# Altium PCB IMX6 DEV BOARD.PcbDoc (part 6 of 12) (continued)
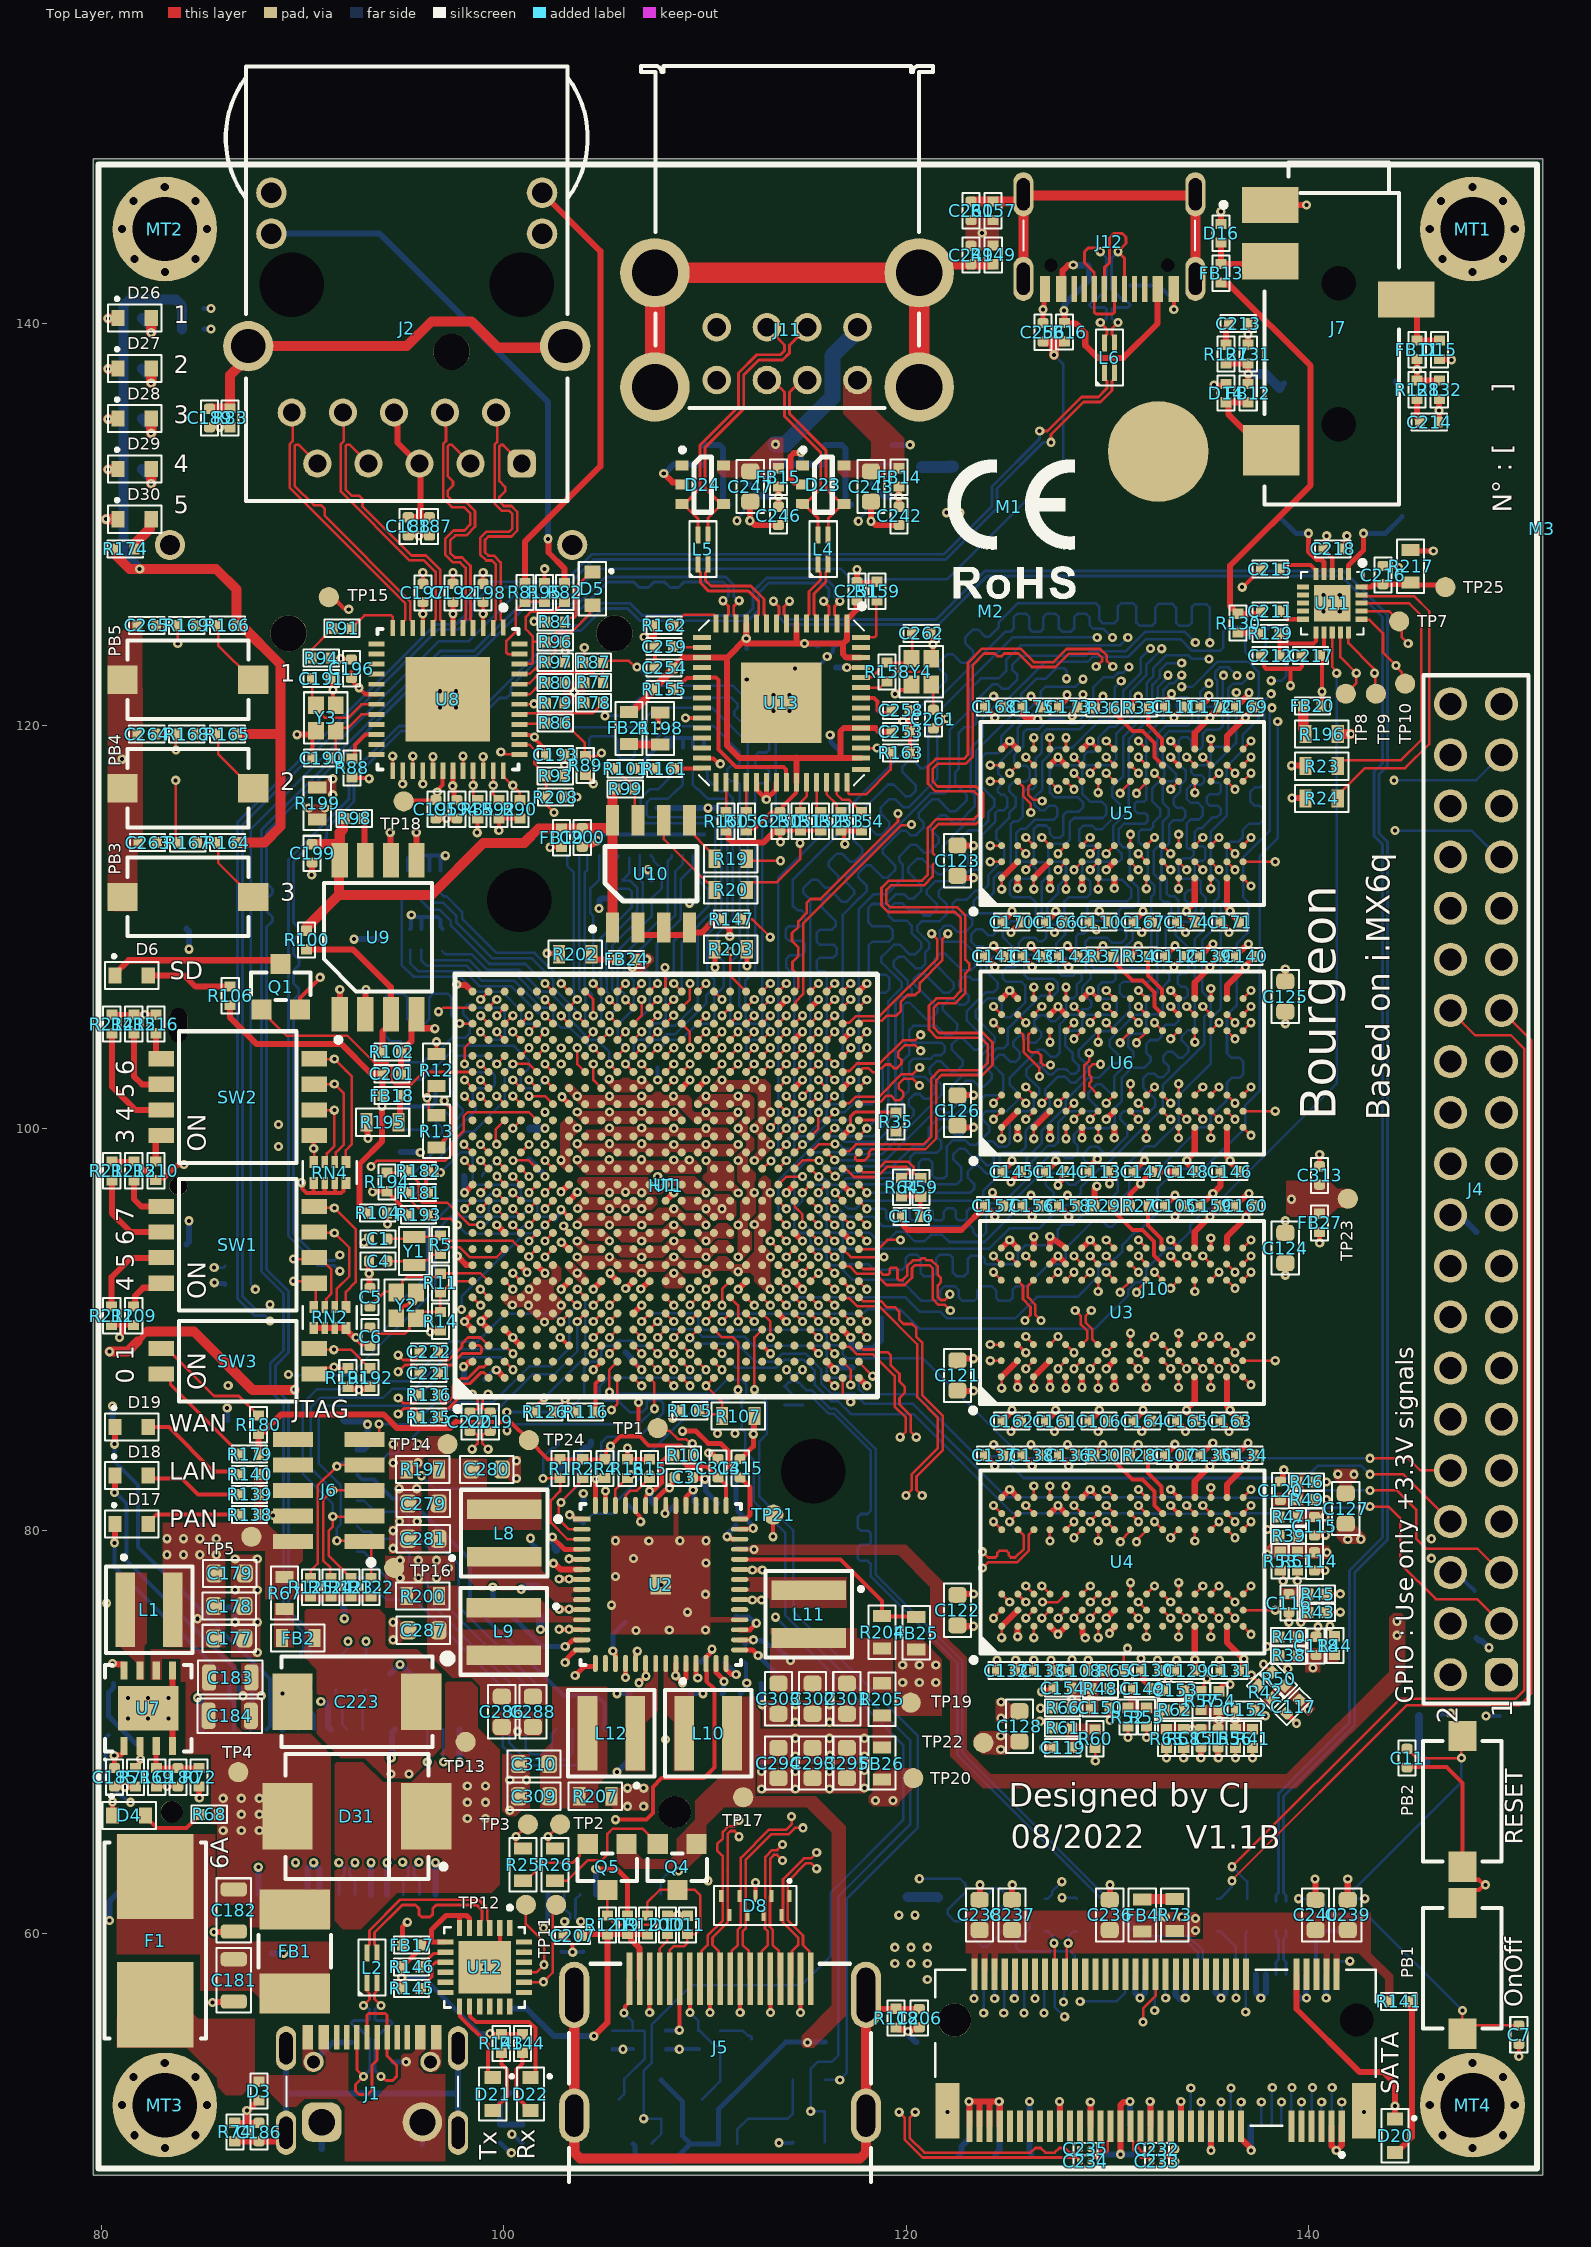
[diagram p0: Top Layer view]
## Nets (pads, with @x,y where several pads share a name; then routed paths per layer and width w, separated by ;. In a path a pad name is that pad's centre, name@x,y a point inside that pad or via, vN(x,y) a via of type N, cw(c..) or ccw(c..) an arc to the next point about the centre after c; other vN are vias at no path point) (continued)
  Inner 2 w0.11: v1(114.044,94.4) 113.644,94 113.644,92.638 113.884,92.398 114.209,92.398 114.441,92.165 114.441,91.84 114.684,91.598 115.009,91.598 115.241,91.365 115.241,91.04 115.484,90.798 115.809,90.798 116.041,90.565 116.041,90.24 116.232,90.05 116.279,90.003 118.209,90.003 118.477,90.271 119.257,90.271 119.589,89.939 120.955,89.939 121.644,89.25 122.599,89.25 122.946,88.903 122.946,88.107 123.179,87.875 124.005,87.875 124.178,88.049 v1(124.178,88.45)
DRAM_D26: U1.AE11 U3.B8 | length 17.3
  Top Layer w0.125: U1.AE11@117.644,95.6 v1(118.044,95.2) ; v1(125.144,93.65) U3.B8@125.544,93.25
  Inner 2 w0.11: v1(118.044,95.2) 117.646,95.598 117.646,96.167 117.879,96.4 118.594,96.4 118.719,96.525 118.719,96.95 118.869,97.1 119.494,97.1 119.644,96.95 119.644,96.625 119.794,96.475 120.394,96.475 120.544,96.625 120.544,96.95 120.694,97.1 121.394,97.1 121.519,96.975 121.519,96.6 121.669,96.45 122.169,96.45 122.344,96.625 122.344,96.9 122.519,97.075 123.144,97.075 123.369,96.85 123.369,96.55 122.869,96.05 122.869,95.875 123.294,95.45 123.519,95.45 123.794,95.725 124.144,96.075 124.894,96.075 125.056,95.912 125.056,95.413 124.894,95.25 124.65,95.25 124.494,95.095 124.494,94.55 124.746,94.298 124.746,94.285 125.082,93.95 125.082,93.712 v1(125.144,93.65)
DRAM_D27: U1.AB11 U3.C2 | length 17.3
  Top Layer w0.125: U1.AB11@115.244,95.6 v1(115.644,95.2) ; v1(125.944,88.05) U3.C2@126.344,88.45
  Inner 2 w0.11: v1(115.644,95.2) 115.596,95.152 115.596,94.914 115.246,94.565 115.246,94.503 115.244,94.5 115.244,92.6 116.246,91.598 116.609,91.598 117.081,91.125 120.819,91.125 121.894,90.05 124.145,90.05 124.873,89.322 124.873,88.241 125.288,87.826 125.708,87.826 125.932,88.05 v1(125.944,88.05)
DRAM_D28: U1.AC9 U3.C3 | length 17.3
  Top Layer w0.125: U1.AC9@116.044,94 v1(116.444,93.6) ; v1(125.944,89.65) U3.C3@126.344,89.25
  Inner 2 w0.11: v1(116.444,93.6) 116.046,93.203 116.046,92.635 116.279,92.403 116.666,92.403 116.841,92.228 116.841,91.84 117.257,91.425 120.92,91.425 121.33,91.015 121.653,91.015 121.986,91.348 122.359,91.348 122.603,91.103 122.603,90.516 122.794,90.325 124.834,90.325 125.294,89.865 125.294,88.7 125.541,88.453 126.293,88.453 126.517,88.677 126.517,89.076 v1(125.944,89.65)
DRAM_D29: U1.AD9 U3.A7 | length 17.3
  Top Layer w0.125: U1.AD9@116.844,94 117.246,93.598 118.889,93.598 v1(118.894,93.603) ; v1(124.344,92.85) U3.A7@124.744,92.45
  Inner 2 w0.11: v1(118.894,93.603) 118.02,93.603 117.644,93.978 117.644,94.575 117.866,94.798 118.771,94.798 119.514,94.055 119.999,94.055 120.194,94.25 120.194,95.075 120.344,95.225 120.669,95.225 120.819,95.075 120.819,94.2 120.964,94.055 121.324,94.055 121.494,94.225 121.494,94.975 121.647,95.128 122.041,95.128 122.194,94.975 122.194,94.225 122.364,94.055 122.699,94.055 122.844,94.2 122.844,94.5 122.988,94.644 123.425,94.644 123.575,94.494 123.575,93.619 v1(124.344,92.85)
DRAM_D30: U1.AD11 U3.C8 | length 17.3
  Top Layer w0.125: U1.AD11@116.844,95.6 v1(117.244,95.2) ; v1(125.944,93.65) U3.C8@126.344,93.25
  Inner 2 w0.11: v1(117.244,95.2) 117.244,96.2 117.646,96.602 117.646,96.978 118.044,97.375 118.494,97.375 118.669,97.55 118.669,98.05 118.819,98.2 119.444,98.2 119.619,98.025 119.619,97.575 119.794,97.4 120.394,97.4 120.544,97.55 120.544,98.05 120.694,98.2 121.344,98.2 121.519,98.025 121.519,97.55 121.669,97.4 122.169,97.4 122.572,97.803 123.291,97.803 123.844,97.25 123.844,96.688 124.157,96.375 125.069,96.375 125.544,95.9 125.544,94.05 v1(125.944,93.65)
DRAM_D31: U1.AC11 U3.A3 | length 17.3
  Top Layer w0.125: U1.AC11@116.044,95.6 v1(116.444,95.2) ; v1(124.178,89.25) U3.A3@124.744,89.25
  Inner 2 w0.11: v1(116.444,95.2) 116.046,95.598 115.479,95.598 115.241,95.36 115.241,95.186 115.241,95.035 115.006,94.8 114.678,94.8 114.446,94.569 114.446,92.635 114.682,92.4 115.006,92.4 115.241,92.165 115.241,91.946 115.59,91.598 115.809,91.598 116.044,91.362 116.044,91.038 116.279,90.803 120.604,90.803 121.757,89.65 123.778,89.65 v1(124.178,89.25)
DRAM_D32: U1.AA17 U6.E3 | length 19.1
  Top Layer w0.125: U1.AA17@114.444,100.4 v1(114.844,100.8) ; v1(127.544,101.25) U6.E3@127.944,101.65
  Inner 5 w0.11: v1(114.844,100.8) 114.906,100.738 115.138,100.738 115.726,100.15 116.025,100.15 116.284,100.409 116.613,100.409 116.846,100.176 116.846,99.779 117.023,99.603 117.473,99.603 117.644,99.773 117.644,100.209 117.832,100.398 118.302,100.398 118.494,100.205 118.494,99.68 118.674,99.5 119.17,99.5 119.345,99.675 119.345,100.196 119.549,100.4 120.049,100.4 120.222,100.228 120.222,99.656 120.378,99.5 123.365,99.5 123.946,100.082 123.946,100.615 124.179,100.847 126.121,100.847 126.588,100.381 127.155,100.381 127.544,100.769 v1(127.544,101.25)
DRAM_D33: U1.AA18 U6.H3 | length 19.1
  Top Layer w0.125: v1(114.044,101.6) U1.AA18@114.444,101.2 ; v1(129.944,101.25) U6.H3@130.344,101.65
  Inner 5 w0.11: v1@113.92,101.724 114.44,101.204 114.678,101.204 114.679,101.203 115.809,101.203 115.81,101.204 116.618,101.204 116.963,100.859 117.541,100.859 117.932,101.25 118.305,101.25 118.855,100.7 120,100.7 120.4,101.1 120.825,101.1 121.225,100.7 121.725,100.7 122.1,101.075 122.5,101.075 122.875,100.7 123.232,100.7 124.182,101.65 129.544,101.65 v1(129.944,101.25)
DRAM_D34: U1.AC18 U6.F7 | length 19.1
  Top Layer w0.125: U1.AC18@116.044,101.2 116.044,101.203 116.439,101.598 v1(116.439,101.601) ; v1(128.344,104.45) U6.F7@128.744,104.85
  Inner 5 w0.11: v1(116.439,101.601) 117.844,101.601 118.218,101.975 118.615,101.975 118.797,101.794 118.797,101.314 119.052,101.059 119.733,101.059 119.975,101.302 119.975,102.593 119.798,102.77 119.407,102.77 119.277,102.901 119.277,103.115 120.414,104.253 120.884,104.253 121.116,104.485 121.116,104.497 121.294,104.675 122.626,104.675 122.834,104.467 123.301,104.467 123.508,104.675 123.868,104.675 124.098,104.445 124.098,104.066 124.237,103.926 124.842,103.926 124.963,104.047 124.963,104.478 125.11,104.625 125.498,104.625 125.651,104.472 126.387,104.472 126.596,104.682 127.502,104.682 127.734,104.45 v1(128.344,104.45)
DRAM_D35: U1.AE19 U6.H7 | length 19.1
  Top Layer w0.125: U1.AE19@117.644,102 v1(118.044,102.4) ; v1(129.944,105.25) U6.H7@130.344,104.85 v1(129.944,105.25)
  Inner 5 w0.11: v1(118.044,102.4) 118.132,102.4 118.282,102.25 118.742,102.25 119.094,101.898 119.094,101.727 119.249,101.572 119.598,101.572 119.7,101.674 119.7,102.369 119.574,102.495 119.248,102.495 118.884,102.86 118.884,103.152 120.226,104.494 120.226,104.829 120.497,105.1 120.831,105.1 120.979,104.952 123.98,104.952 124.158,104.774 124.565,104.774 124.771,104.98 125.532,104.98 125.71,104.801 126.161,104.801 126.324,104.965 127.82,104.965 127.932,104.852 128.558,104.852 128.744,105.039 128.744,105.499 128.92,105.675 129.519,105.675 v1(129.944,105.25)
DRAM_D36: U1.Y17 U6.G2 | length 19.1
  Top Layer w0.125: v1(113.257,100.044) 113.273,100.044 113.629,100.4 U1.Y17@113.644,100.4 ; v1(129.144,100.45) U6.G2@129.544,100.85
  Inner 5 w0.11: v1(113.257,100.044) 113.701,99.6 115.027,99.6 115.652,98.975 116.155,98.975 116.298,98.831 117.594,98.831 117.975,98.45 118.6,98.45 118.981,98.831 122.594,98.831 122.975,98.45 123.7,98.45 124.081,98.831 128.056,98.831 128.2,98.975 128.346,99.121 128.346,99.695 129.102,100.45 v1(129.144,100.45)
DRAM_D37: U1.Y18 U6.F2 | length 19.1
  Top Layer w0.125: U1.Y18@113.644,101.2 v1(114.044,100.8) ; v1(128.344,100.45) U6.F2@128.744,100.85
  Inner 5 w0.11: v1(114.044,100.8) 114.092,100.752 114.33,100.752 114.679,100.403 114.741,100.403 114.746,100.398 115.071,100.398 115.855,99.614 116.622,99.614 117.095,99.141 124.16,99.141 124.346,99.327 124.346,99.649 124.579,99.882 124.909,99.882 125.144,99.646 125.144,99.368 125.379,99.132 125.709,99.132 125.944,99.368 125.944,99.646 126.179,99.882 126.509,99.882 126.741,99.649 126.741,99.303 126.944,99.1 127.344,99.1 127.541,99.298 127.541,100.134 127.857,100.45 v1(128.344,100.45)
DRAM_D38: U1.AB19 U6.F8 | length 19.1
  Top Layer w0.125: v1(114.844,101.6) U1.AB19@115.244,102 ; v1(128.344,106.05) U6.F8@128.744,105.65
  Inner 5 w0.11: v1(114.844,101.6) 115.241,101.997 115.241,103.379 115.465,103.603 116.221,103.603 117.021,104.402 118.621,104.402 120.144,105.925 122.258,105.925 123.5,107.167 123.885,107.167 124.055,106.997 124.63,106.997 125.187,107.555 125.439,107.555 125.769,107.225 125.769,106.866 126.017,106.618 128.201,106.618 128.344,106.475 v1(128.344,106.05)
DRAM_D39: U1.AC19 U6.H8 | length 19.1
  Top Layer w0.125: v1(115.644,102.4) U1.AC19@116.044,102 ; v1(129.944,106.05) U6.H8@130.344,105.65 v1(129.944,106.05)
  Inner 5 w0.11: v1(115.644,102.4) 116.046,102.803 116.671,102.803 116.85,102.981 116.85,103.35 117.108,103.608 118.215,103.608 120.258,105.65 122.372,105.65 123.444,106.722 124.709,106.722 124.979,106.452 125.741,106.452 126.541,105.652 128.527,105.652 128.8,105.925 128.8,106.222 129.017,106.439 129.536,106.439 129.925,106.05 v1(129.944,106.05)
DRAM_D40: U1.Y19 U6.D7 | length 16.9
  Top Layer w0.125: U1.Y19@113.644,102 v1(114.044,102.4) ; v1(127.144,104.284) U6.D7@127.144,104.85
  Inner 2 w0.11: v1(114.044,102.4) 113.646,102.798 113.646,103.365 113.884,103.603 118.528,103.603 120.084,105.158 122.411,105.158 123.285,104.284 v1(127.144,104.284)
DRAM_D41: U1.AB20 U6.C2 | length 16.9
  Top Layer w0.125: U1.AB20@115.244,102.8 v1(115.644,103.2) ; v1(125.944,100.45) U6.C2@126.344,100.85
  Inner 2 w0.11: v1(115.644,103.2) 116.041,102.803 116.041,102.24 116.283,101.999 116.632,101.999 117.101,101.53 117.886,101.53 118.665,100.75 119.066,100.75 119.219,100.597 119.219,100.1 119.394,99.925 119.845,99.925 120.037,100.118 120.037,100.593 120.219,100.775 120.798,100.775 120.969,100.604 120.969,100.115 121.159,99.925 121.651,99.925 121.844,100.118 121.844,100.5 122.094,100.75 122.691,100.75 122.941,100.5 123.369,100.5 123.644,100.775 123.644,101.15 124.141,101.648 124.654,101.648 124.969,101.333 124.969,100.791 125.31,100.45 v1(125.944,100.45)
DRAM_D42: U1.AB21 U6.A7 | length 16.9
  Top Layer w0.125: U1.AB21@115.244,103.6 v1(115.644,104) ; v1(124.344,105.25) U6.A7@124.744,104.85
  Inner 2 w0.11: v1(115.644,104) 116.538,104 116.846,104.308 116.846,105.048 117.398,105.6 117.806,105.6 119.12,106.914 119.375,106.914 119.544,107.082 119.544,107.422 119.723,107.601 120.133,107.601 120.294,107.441 120.294,107.094 120.459,106.93 120.867,106.93 121.044,107.107 121.044,107.447 121.223,107.626 121.633,107.626 121.794,107.466 121.794,107.119 121.958,106.955 122.39,106.955 ; 122.398,106.961 122.569,107.132 122.569,107.472 122.748,107.651 123.158,107.651 123.319,107.491 123.319,107.144 123.488,106.975 124.447,106.975 124.945,106.477 124.945,105.498 124.697,105.25 v1(124.344,105.25)
DRAM_D43: U1.AD21 U6.C8 | length 16.9
  Top Layer w0.125: U1.AD21@116.849,103.6 v1(117.249,104) ; U6.C8@126.344,105.65 v1(126.744,106.05)
  Inner 2 w0.11: v1(117.249,104) 117.641,104.392 117.641,105.022 118.505,105.886 119.173,105.886 119.344,106.057 119.344,106.397 119.523,106.576 119.933,106.576 120.094,106.416 120.094,106.069 120.258,105.905 120.69,105.905 120.861,106.077 120.861,106.401 121.037,106.577 121.518,106.577 121.684,106.411 121.684,106.067 121.851,105.9 122.35,105.9 122.509,106.058 122.509,106.426 122.661,106.579 123.066,106.579 123.26,106.385 123.26,105.584 123.991,104.852 125.121,104.852 125.469,105.2 125.469,106.199 125.802,106.532 126.262,106.532 v1(126.744,106.05)
DRAM_D44: U1.Y20 U6.A2 | length 16.9
  Top Layer w0.125: U1.Y20@113.644,102.8 v1(114.044,103.2) ; v1(124.344,100.45) U6.A2@124.744,100.85
  Inner 2 w0.11: v1(114.044,103.2) 114.444,102.8 114.444,102.238 114.684,101.998 115.009,101.998 115.244,101.762 115.244,100.962 ; 115.243,100.962 115.243,100.632 116.262,99.614 116.887,99.614 117.119,99.382 117.119,98.793 117.306,98.606 117.791,98.606 117.994,98.809 117.994,99.133 118.161,99.3 120.008,99.3 120.292,99.016 120.773,99.016 121.057,99.3 122.819,99.3 123.201,98.918 123.978,98.918 124.344,99.284 v1(124.344,100.45)
DRAM_D45: U1.AA20 U6.A3 | length 16.9
  Top Layer w0.125: U1.AA20@114.444,102.8 v1(114.844,103.2) ; v1(124.344,101.25) U6.A3@124.744,101.65
  Inner 2 w0.11: v1(114.844,103.2) 115.244,102.8 115.244,102.238 115.484,101.998 115.809,101.998 116.041,101.765 116.041,100.628 116.261,100.409 116.68,100.409 116.894,100.623 116.894,101.052 117.031,101.189 117.492,101.189 117.646,101.035 117.646,100.56 117.809,100.398 118.314,100.398 118.524,100.187 118.524,99.845 118.719,99.65 120.019,99.65 120.312,99.943 120.752,99.943 121.045,99.65 121.993,99.65 122.129,99.786 122.129,100.092 122.312,100.275 122.744,100.275 122.946,100.073 122.946,99.746 123.09,99.603 123.64,99.603 123.946,99.909 123.946,100.853 v1@124.34,101.246
DRAM_D46: U1.AE21 U6.B8 | length 16.9
  Top Layer w0.125: U1.AE21@117.644,103.6 v1@118.044,104 ; U6.B8@125.544,105.65 v1(125.944,105.25)
  Inner 2 w0.11: v1(118.044,104.005) 118.539,104.005 118.869,104.335 118.869,104.646 118.453,105.062 118.453,105.318 118.674,105.538 118.981,105.538 119.369,105.15 119.684,105.15 120.074,105.54 120.766,105.54 121.017,105.791 121.571,105.791 121.835,105.527 122.438,105.527 122.649,105.316 123.058,105.316 123.291,105.083 123.291,104.728 123.441,104.577 126.755,104.577 126.962,104.785 127.729,104.785 127.944,105 127.944,105.466 127.757,105.652 127.054,105.652 126.652,105.25 v1(125.944,105.25)
DRAM_D47: U1.AC21 U6.C3 | length 16.9
  Top Layer w0.125: U1.AC21@116.044,103.6 v1(116.444,103.2) ; v1(125.944,102.05) U6.C3@126.344,101.65
  Inner 2 w0.11: v1(116.444,103.2) 116.794,102.85 117.131,102.85 117.424,103.143 118.314,103.143 118.469,102.988 118.469,102.16 118.704,101.925 119.056,101.925 119.256,102.126 119.256,103.583 119.498,103.825 119.85,103.825 120.1,103.574 120.1,101.772 120.248,101.625 120.894,101.625 121.069,101.8 121.069,102.131 121.245,102.307 121.634,102.307 121.81,102.131 121.81,101.779 121.962,101.628 122.371,101.628 123.065,102.322 123.623,102.322 123.739,102.206 124.966,102.206 125.122,102.05 v1(125.944,102.05)
DRAM_D48: U1.AC22 U5.E3 | length 21.8
  Top Layer w0.125: U1.AC22@116.044,104.4 v1(116.444,104.8) ; v1(127.544,113.65) U5.E3@127.944,114.05
  Inner 5 w0.11: v1(116.444,104.8) 116.046,105.198 116.046,105.803 116.246,106.003 118.209,106.003 119.425,107.219 119.425,107.988 119.637,108.2 120.03,108.2 120.225,108.005 120.225,107.572 120.422,107.375 121.099,107.375 121.299,107.576 121.299,107.926 120.873,108.352 120.873,108.588 121.11,108.826 121.399,108.826 121.837,108.388 122.112,108.388 123.148,109.424 123.148,109.779 122.766,110.16 122.766,110.48 123.009,110.722 123.339,110.722 123.805,110.256 124.125,110.256 125.144,111.275 125.666,111.275 125.946,111.555 125.946,112.053 v1(127.544,113.65)
DRAM_D49: U1.AE22 U5.G2 | length 21.9
  Top Layer w0.125: U1.AE22@117.644,104.4 v1(118.044,104.8) ; v1(129.144,112.85) U5.G2@129.544,113.25
  Inner 5 w0.11: v1(118.044,104.8) 118.569,104.8 119.969,106.2 122.144,106.2 123.386,107.443 124.686,107.443 124.869,107.625 124.869,108.025 125.069,108.225 125.594,108.225 125.769,108.05 125.769,107.625 125.969,107.425 126.928,107.425 127.229,107.725 127.229,108.218 127.578,108.568 128.107,108.568 128.525,108.15 128.95,108.15 129.325,108.525 129.325,108.875 128.734,109.466 128.734,109.964 129.036,110.266 129.77,110.266 129.995,110.491 129.995,111.149 129.805,111.339 129.351,111.339 129.144,111.546 v1(129.144,112.85)
DRAM_D50: U1.AE24 U5.H7 | length 21.8
  Top Layer w0.125: U1.AE24@117.644,106 v1(118.044,106.4) ; v1(129.944,117.65) U5.H7@130.344,117.25 v1(129.944,117.65)
  Inner 5 w0.11: v1(118.044,106.4) 118.869,107.225 118.869,108.625 119.069,108.825 119.319,108.825 119.629,108.515 119.859,108.515 120.332,108.989 120.332,109.236 120.055,109.514 120.055,109.736 120.369,110.05 120.369,110.994 122.325,112.95 123,112.95 123.761,113.711 123.761,114.538 126.002,116.779 127.052,116.779 127.813,116.019 128.313,116.019 v1(129.944,117.65)
DRAM_D51: U1.AC24 U5.F8 | length 21.9
  Top Layer w0.125: U1.AC24@116.044,106 v1(116.444,106.4) ; v1(128.344,118.45) U5.F8@128.744,118.05
  Inner 5 w0.11: v1(116.444,106.4) 116.846,106.802 116.846,109.996 122.75,115.9 123.331,115.9 123.575,116.144 123.575,116.546 123.779,116.75 124.294,116.75 124.796,117.252 125.309,117.252 126.106,118.05 129.05,118.05 129.149,118.149 129.149,118.359 129.058,118.45 v1(128.344,118.45)
DRAM_D52: U1.AB22 U5.F2 | length 21.9
  Top Layer w0.125: U1.AB22@115.244,104.4 v1(115.644,104.8) ; v1(128.344,112.85) U5.F2@128.744,113.25
  Inner 5 w0.11: v1(115.644,104.8) 116.041,104.403 116.609,104.403 116.841,104.635 116.841,105.009 117.08,105.247 118.364,105.247 119.767,106.65 121.947,106.65 123.897,108.6 125.36,108.6 125.619,108.859 125.619,109.31 125.884,109.575 126.453,109.575 126.675,109.353 126.675,108.949 126.897,108.727 127.327,108.727 127.575,108.975 127.575,109.25 127.975,109.65 127.975,110.364 128.161,110.55 128.825,110.55 129,110.725 129,111.125 128.825,111.3 128.494,111.3 128.344,111.45 v1(128.344,112.85)
DRAM_D53: U1.AC23 U5.H3 | length 21.9
  Top Layer w0.125: U1.AC23@116.044,105.2 v1(116.444,105.6) ; v1(129.944,113.65) U5.H3@130.344,114.05
  Inner 5 w0.11: v1(116.444,105.6) 118.195,105.6 119.845,107.25 120.125,107.25 120.375,107 121.541,107 121.725,107.184 121.725,107.675 121.882,107.832 122.551,107.832 122.733,108.014 122.733,108.469 122.897,108.633 123.352,108.633 123.525,108.806 123.525,109.766 123.755,109.996 124.004,109.996 124.325,109.675 124.6,109.675 124.825,109.9 124.825,110.2 125.025,110.4 125.45,110.4 125.942,109.908 126.381,109.908 126.661,110.188 126.661,110.628 126.292,110.997 126.292,111.193 126.48,111.381 127.353,111.381 127.546,111.574 127.546,112.127 127.941,112.523 127.941,113.01 128.179,113.247 129.541,113.247 v1(129.944,113.65)
DRAM_D54: U1.AD25 U5.F7 | length 21.9
  Top Layer w0.125: U1.AD25@116.844,106.8 v1(117.244,107.2) ; v1(128.344,117.65) U5.F7@128.744,117.25
  Inner 5 w0.11: v1(117.244,107.2) 117.244,109.801 117.573,110.13 117.84,110.13 118.204,109.766 118.46,109.766 118.822,110.128 118.822,110.397 118.466,110.753 118.466,111.196 120.51,113.24 120.71,113.24 120.928,113.022 121.121,113.022 121.326,113.227 121.326,113.424 121.11,113.64 121.11,113.84 121.347,114.078 121.547,114.078 121.762,113.863 121.958,113.863 122.14,114.045 122.14,114.235 121.934,114.441 121.934,114.665 122.14,114.871 122.354,114.871 122.551,114.674 122.786,114.674 122.951,114.839 122.951,115.049 122.838,115.162 122.838,115.439 123.039,115.64 123.665,115.64 125.002,116.977 125.423,116.977 126.095,117.65 v1(128.344,117.65)
DRAM_D55: U1.AC25 U5.H8 | length 21.9
  Top Layer w0.125: U1.AC25@116.044,106.8 v1(116.444,107.2) ; v1(129.944,118.45) U5.H8@130.344,118.05 v1(129.944,118.45)
  Inner 5 w0.11: v1(116.444,107.2) 116.444,110.069 124.025,117.65 124.5,117.65 125.697,118.847 129.546,118.847 v1(129.944,118.45)
DRAM_D56: U1.AB25 U5.D7 | length 20.9
  Top Layer w0.125: U1.AB25@115.244,106.8 v1(115.644,107.2) ; U5.D7@127.144,117.25 v1(127.544,116.85)
  Inner 2 w0.11: v1(115.644,107.2) 115.656,107.213 115.656,107.613 119.831,111.787 119.831,112.363 121.116,113.647 122.566,113.647 122.794,113.875 122.794,114.345 122.959,114.51 123.567,114.51 123.741,114.335 123.741,113.831 123.923,113.65 124.519,113.65 125.743,114.874 126.821,114.874 127.533,115.585 128.262,115.585 128.419,115.742 128.419,116.269 128.255,116.433 127.961,116.433 v1(127.544,116.85)
DRAM_D57: U1.AA21 U5.C2 | length 21
  Top Layer w0.125: U1.AA21@114.444,103.6 v1(114.844,104) ; v1(125.944,112.85) U5.C2@126.344,113.25
  Inner 2 w0.11: v1(114.844,104) 114.906,104.062 115.057,104.062 115.398,104.403 115.809,104.403 116.046,104.64 116.046,104.965 116.282,105.2 116.606,105.2 117.646,106.24 117.646,106.565 117.879,106.798 118.541,106.798 118.794,107.05 118.794,107.85 121.997,111.053 122.591,111.053 123.146,110.498 124.404,110.498 125.232,111.325 127.273,111.325 127.541,111.594 127.541,112.195 127.333,112.403 126.034,112.403 125.944,112.493 v1(125.944,112.85)
DRAM_D58: U1.Y25 U5.B8 | length 21
  Top Layer w0.125: U1.Y25@113.644,106.8 v1(114.044,107.2) ; v1(125.144,117.65) U5.B8@125.544,118.05
  Inner 2 w0.11: v1(114.044,107.2) 114.044,107.875 118.044,111.875 118.044,115.786 120.071,117.813 120.607,117.813 120.946,118.152 121.525,118.152 121.824,117.852 122.465,117.852 122.788,118.175 123.394,118.175 123.919,117.65 124.336,117.65 124.339,117.652 124.343,117.652 124.576,117.885 124.576,117.89 124.836,118.15 125.322,118.15 125.395,118.077 125.395,117.901 v1(125.144,117.65)
DRAM_D59: U1.Y22 U5.A2 | length 20.9
  Top Layer w0.125: U1.Y22@113.644,104.4 v1(114.044,104.8) ; v1(124.178,113.25) U5.A2@124.744,113.25
  Inner 2 w0.11: v1(114.044,104.8) 114.441,105.198 115.004,105.198 115.241,105.435 115.241,106.56 115.479,106.798 115.806,106.798 116.046,107.038 116.046,107.614 117.466,109.033 118.053,109.033 118.337,109.317 118.337,109.904 118.657,110.224 119.264,110.224 119.528,110.488 119.528,111.081 119.747,111.3 120.353,111.3 120.558,111.505 120.558,111.771 120.227,112.102 120.227,112.353 120.527,112.654 120.745,112.654 121.127,112.272 121.364,112.272 121.526,112.433 121.526,113.152 121.713,113.34 122.04,113.34 122.208,113.171 122.208,112.542 122.375,112.375 122.786,112.375 122.922,112.512 122.922,113.422 123.1,113.6 123.419,113.6 123.619,113.4 123.619,112.95 123.744,112.825 124.071,112.825 124.171,112.924 124.171,113.242 v1(124.178,113.25)
DRAM_D60: U1.AB23 U5.C3 | length 20.9
  Top Layer w0.125: U1.AB23@115.244,105.2 v1(115.644,105.6) ; v1(125.944,114.45) U5.C3@126.344,114.05
  Inner 2 w0.11: v1(115.644,105.6) 115.706,105.662 115.706,105.9 116.041,106.235 116.041,106.56 116.28,106.798 116.604,106.798 116.846,107.04 116.846,107.365 116.854,107.372 116.854,107.565 116.755,107.664 116.755,107.906 117.059,108.21 117.332,108.21 117.62,107.922 117.791,107.922 117.971,108.102 117.971,108.621 118.113,108.763 118.619,108.763 118.748,108.892 118.748,109.703 118.9,109.855 119.713,109.855 119.885,110.027 119.885,110.806 120.054,110.975 120.711,110.975 120.831,111.095 120.831,111.389 120.833,111.391 120.833,111.859 120.968,111.994 121.255,111.994 121.493,111.755 121.667,111.755 121.999,112.088 122.215,112.088 122.552,111.751 122.867,111.751 123.141,112.025 123.333,112.025 123.674,111.684 124.028,111.684 124.102,111.758 124.102,112.02 123.853,112.269 123.853,112.449 123.954,112.55 124.594,112.55 124.764,112.38 125.038,112.38 125.271,112.613 125.271,112.977 124.877,113.372 124.877,113.618 125.227,113.969 125.7,113.969 125.896,114.164 125.896,114.402 v1(125.944,114.45)
DRAM_D61: U1.AA23 U5.A3 | length 21
  Top Layer w0.125: U1.AA23@114.444,105.2 v1(114.844,105.6) ; v1(124.178,114.05) U5.A3@124.744,114.05
  Inner 2 w0.11: v1(114.844,105.6) 114.844,107.275 119.279,111.71 119.279,112.115 118.844,112.55 118.844,112.934 119.128,113.218 119.484,113.218 119.739,112.963 120.043,112.963 120.254,113.174 120.254,113.44 119.956,113.738 119.956,114.087 120.251,114.382 120.687,114.382 120.969,114.1 121.38,114.1 121.644,114.364 121.644,114.984 121.86,115.2 122.344,115.2 122.589,114.955 123.223,114.955 123.436,115.167 124.663,115.167 124.969,114.861 124.969,114.525 124.503,114.059 124.187,114.059 v1(124.178,114.05)
DRAM_D62: U1.Y23 U5.A7 | length 20.9
  Top Layer w0.125: U1.Y23@113.644,105.2 v1(114.044,105.6) ; v1(124.178,117.25) U5.A7@124.744,117.25
  Inner 2 w0.11: v1(114.044,105.6) 114.569,106.125 114.569,107.7 118.519,111.65 118.519,113.625 119.068,114.174 119.068,114.78 118.473,115.376 118.473,115.826 119.047,116.4 119.519,116.4 119.794,116.675 119.794,117.147 120.177,117.53 120.704,117.53 121.068,117.166 121.609,117.166 121.917,117.475 122.539,117.475 123,117.014 123.474,117.014 123.71,117.25 v1(124.178,117.25)
DRAM_D63: U1.W25 U5.C8 | length 20.9
  Top Layer w0.125: U1.W25@112.844,106.8 v1(113.244,107.2) ; v1(125.944,118.45) U5.C8@126.344,118.05
  Inner 2 w0.11: v1(113.244,107.2) 113.55,107.506 113.55,108.231 117.544,112.225 117.544,115.675 120.319,118.45 v1(125.944,118.45)
DRAM_DQM0: U1.AC3 U4.E7 | length 21.5
  Top Layer w0.125: U1.AC3@116.044,89.2 v1(116.444,88.8) ; U4.E7@127.944,80.05 v1(128.344,80.45)
  Inner 2 w0.11: v1(116.444,88.8) 116.511,88.733 116.799,88.733 117.182,88.35 119.725,88.35 122.521,85.554 122.896,85.554 123.19,85.26 123.635,85.26 124.025,85.65 124.475,85.65 124.8,85.325 124.8,84.575 125.025,84.35 125.6,84.35 125.825,84.575 125.825,85.25 126.05,85.475 126.7,85.475 126.95,85.225 126.95,84.25 126.63,83.93 126.63,83.42 127.527,82.523 127.527,81.977 127.05,81.5 127.05,81.199 127.446,80.804 127.99,80.804 v1(128.344,80.45)
DRAM_DQM1: U1.AC6 U4.D3 | length 22.6
  Top Layer w0.125: U1.AC6@116.044,91.6 v1(116.444,91.2) ; v1(126.744,77.25) U4.D3@127.144,76.85
  Inner 5 w0.11: v1(116.444,91.2) 116.841,90.803 116.841,90.253 116.846,90.248 116.846,90.235 117.079,90.003 117.091,90.003 117.096,89.998 117.409,89.998 117.641,89.765 117.641,89.354 118.692,88.303 119.246,87.749 119.246,80.032 122.031,77.247 125.046,77.247 125.441,76.853 126.346,76.853 v1(126.744,77.25)
DRAM_DQM2: U1.AB8 U3.E7 | length 22.8
  Top Layer w0.125: v1(114.844,92.8) U1.AB8@115.244,93.2 ; U3.E7@127.944,92.45 v1(128.344,92.85)
  Inner 5 w0.11: v1(114.844,92.8) 115.244,93.2 115.244,93.762 115.482,94 115.806,94 116.043,94.237 116.043,94.561 116.279,94.798 118.191,94.798 118.196,94.803 118.209,94.803 118.441,95.035 118.441,95.047 118.613,95.22 119.099,95.22 119.269,95.05 119.269,94.175 119.469,93.975 120.194,93.975 120.394,94.175 120.394,94.456 120.125,94.725 120.125,95 120.35,95.225 120.95,95.225 121.125,95.05 121.125,94.375 121.3,94.2 121.775,94.2 121.925,94.35 121.925,94.787 122.063,94.925 122.375,94.925 122.525,94.775 122.525,94 122.4,93.875 122.4,93.6 122.55,93.45 122.875,93.45 123.125,93.7 123.125,94.05 123.275,94.2 123.625,94.2 123.775,94.05 123.775,93.475 124,93.25 127.706,93.25 128.044,92.912 128.282,92.912 v1(128.344,92.85)
DRAM_DQM3: U1.AE10 U3.D3 | length 17.3
  Top Layer w0.125: U1.AE10@117.644,94.8 v1(118.044,94.4) ; U3.D3@127.144,89.25 v1(127.544,89.65)
  Inner 2 w0.11: v1(118.044,94.4) 118.444,94 119.18,94 119.4,93.78 122.852,93.78 124.257,92.375 128.35,92.375 129.585,91.14 129.585,90.06 129.175,89.65 v1(127.544,89.65)
DRAM_DQM4: U1.AB18 U6.E7 | length 19.1
  Top Layer w0.125: U1.AB18@115.244,101.2 v1(115.644,101.6) ; U6.E7@127.944,104.85 v1(128.344,105.25)
  Inner 5 w0.11: v1(115.644,101.6) 116.043,101.999 117.464,101.999 117.644,102.179 117.644,102.562 117.357,102.849 117.357,103.084 117.605,103.333 117.916,103.333 118.166,103.082 118.413,103.082 118.841,103.509 118.841,103.844 119.213,104.216 119.559,104.216 119.933,104.59 119.933,104.936 120.372,105.375 122.319,105.375 122.457,105.237 122.77,105.237 122.934,105.401 122.934,105.823 123.139,106.028 123.38,106.028 123.586,105.822 123.803,105.822 123.941,105.96 123.941,106.311 124.078,106.447 124.595,106.447 124.768,106.274 124.768,105.864 124.965,105.667 125.238,105.667 125.572,106.001 125.804,106.001 126.555,105.25 v1(128.344,105.25)
DRAM_DQM5: U1.AC20 U6.D3 | length 16.9
  Top Layer w0.125: U1.AC20@116.046,102.8 U1.AC20@116.044,102.8 v1(116.444,102.4) ; v1(126.744,101.25) U6.D3@127.144,101.65 U6.D3@127.131,101.65
  Inner 2 w0.11: v1(116.444,102.4) 116.532,102.4 116.64,102.292 116.737,102.292 117.058,101.972 117.871,101.972 118.217,101.625 118.918,101.625 119.094,101.449 119.094,101.13 119.287,100.937 119.706,100.937 120.12,101.35 121.844,101.35 122.065,101.129 122.773,101.129 122.944,101.3 122.944,101.812 123.179,102.047 123.509,102.047 123.625,101.931 124.852,101.931 125.135,101.647 126.251,101.647 126.504,101.9 127.744,101.9 127.941,101.703 127.941,101.022 127.745,100.825 127.169,100.825 v1(126.744,101.25)
DRAM_DQM6: U1.AD24 U5.E7 | length 21.9
  Top Layer w0.125: U1.AD24@116.844,106 v1(117.244,106.4) ; U5.E7@127.944,117.25 v1(128.344,116.85)
  Inner 5 w0.11: v1(117.244,106.4) 117.646,106.803 117.646,107.711 117.831,107.895 118.319,107.895 118.49,108.066 118.49,108.481 118.303,108.668 117.864,108.668 117.694,108.838 117.694,109.269 117.875,109.45 118.63,109.45 119.252,110.072 119.252,110.548 118.944,110.857 118.944,111.144 119.197,111.397 119.478,111.397 119.811,111.064 119.991,111.064 120.298,111.371 120.298,111.59 119.989,111.9 119.989,112.149 120.282,112.442 120.539,112.442 120.69,112.292 120.942,112.292 125.352,116.702 125.536,116.702 126.081,117.247 127.946,117.247 v1(128.344,116.85)